# Altium PCB Sentry_Chasis.PcbDoc
Units mm, origin at the board's own origin, x right, y up, seen from the top; angles counter-clockwise.
Board outline 61.98 x 50.72 mm, 2 copper layers (Top Layer, Bottom Layer); 64 components, 47 nets, 260 pads, 170 vias.
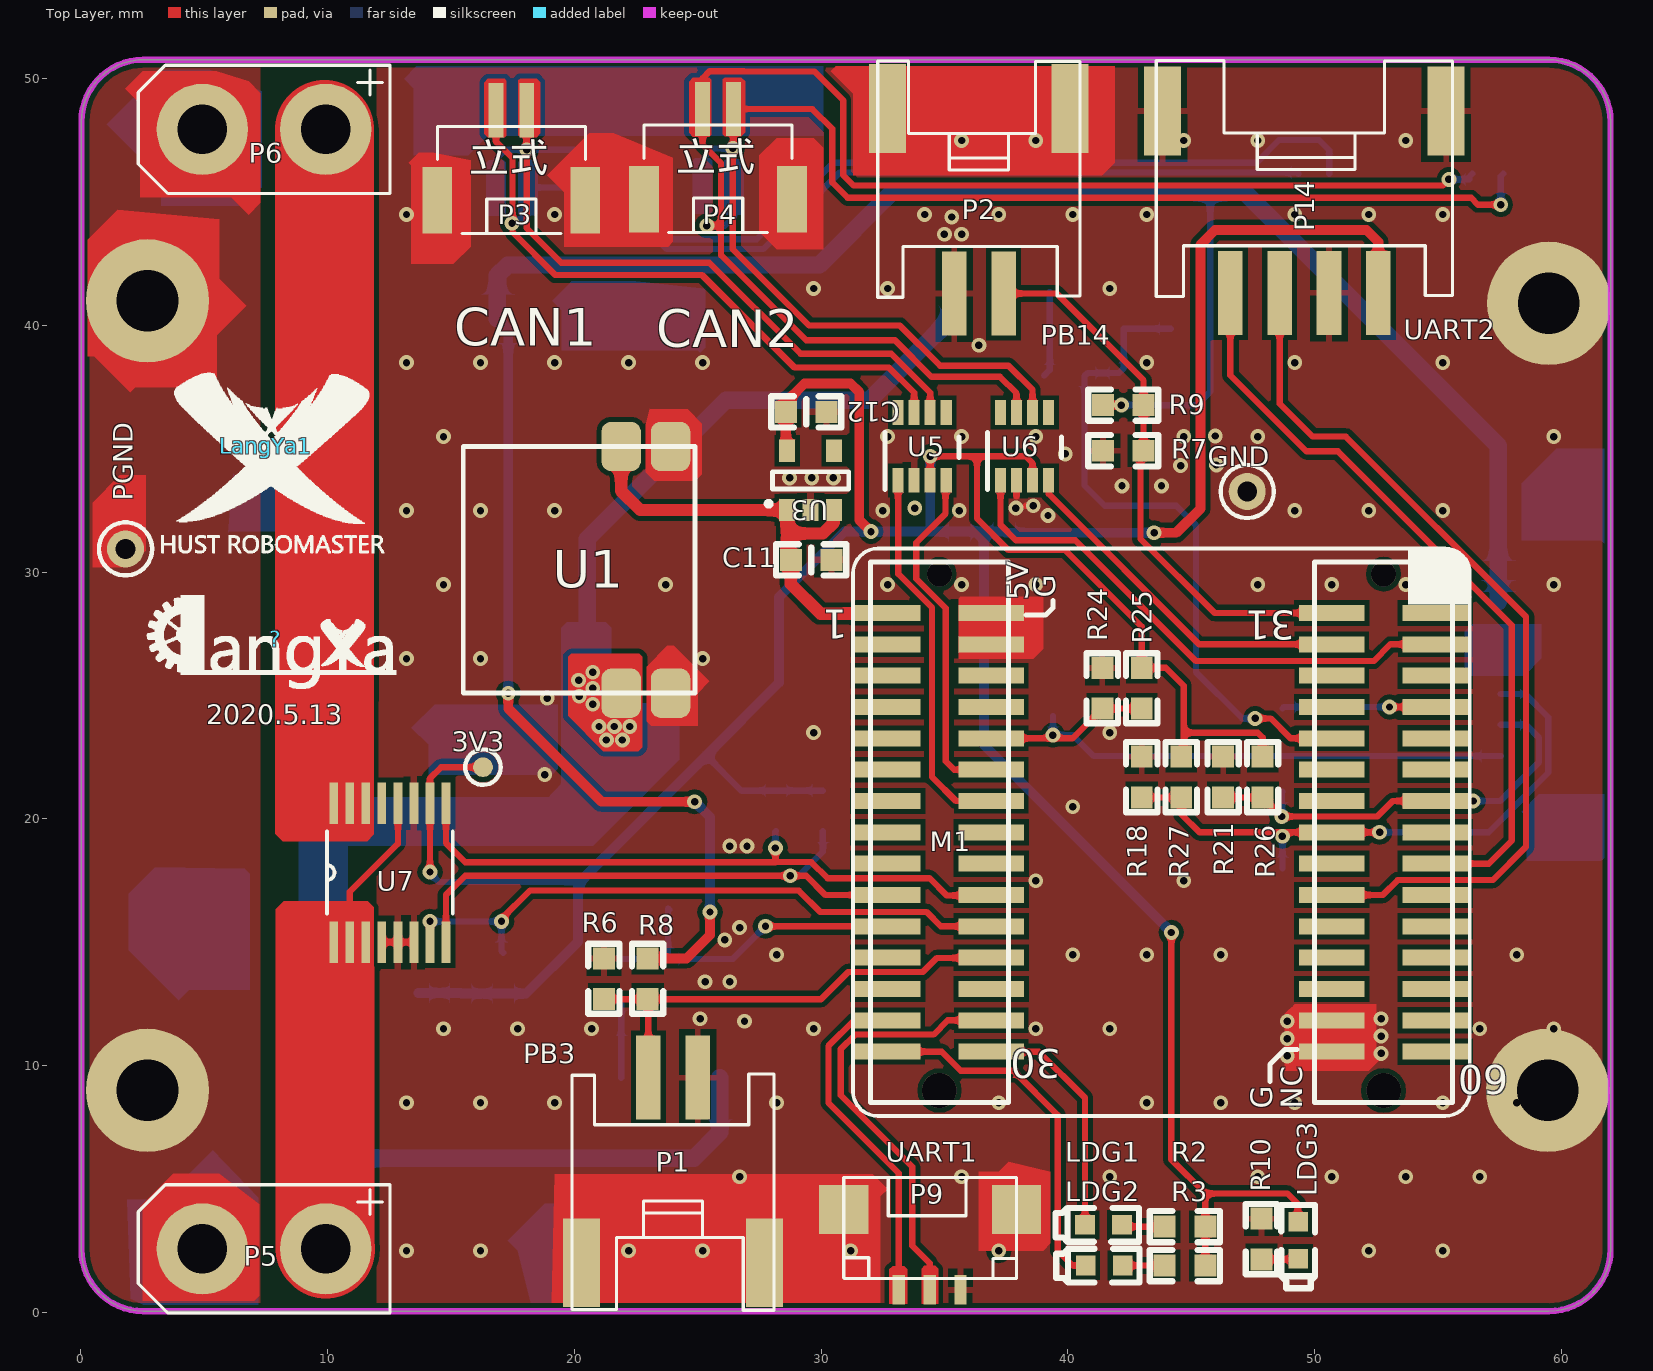
[diagram p0: Top Layer view]
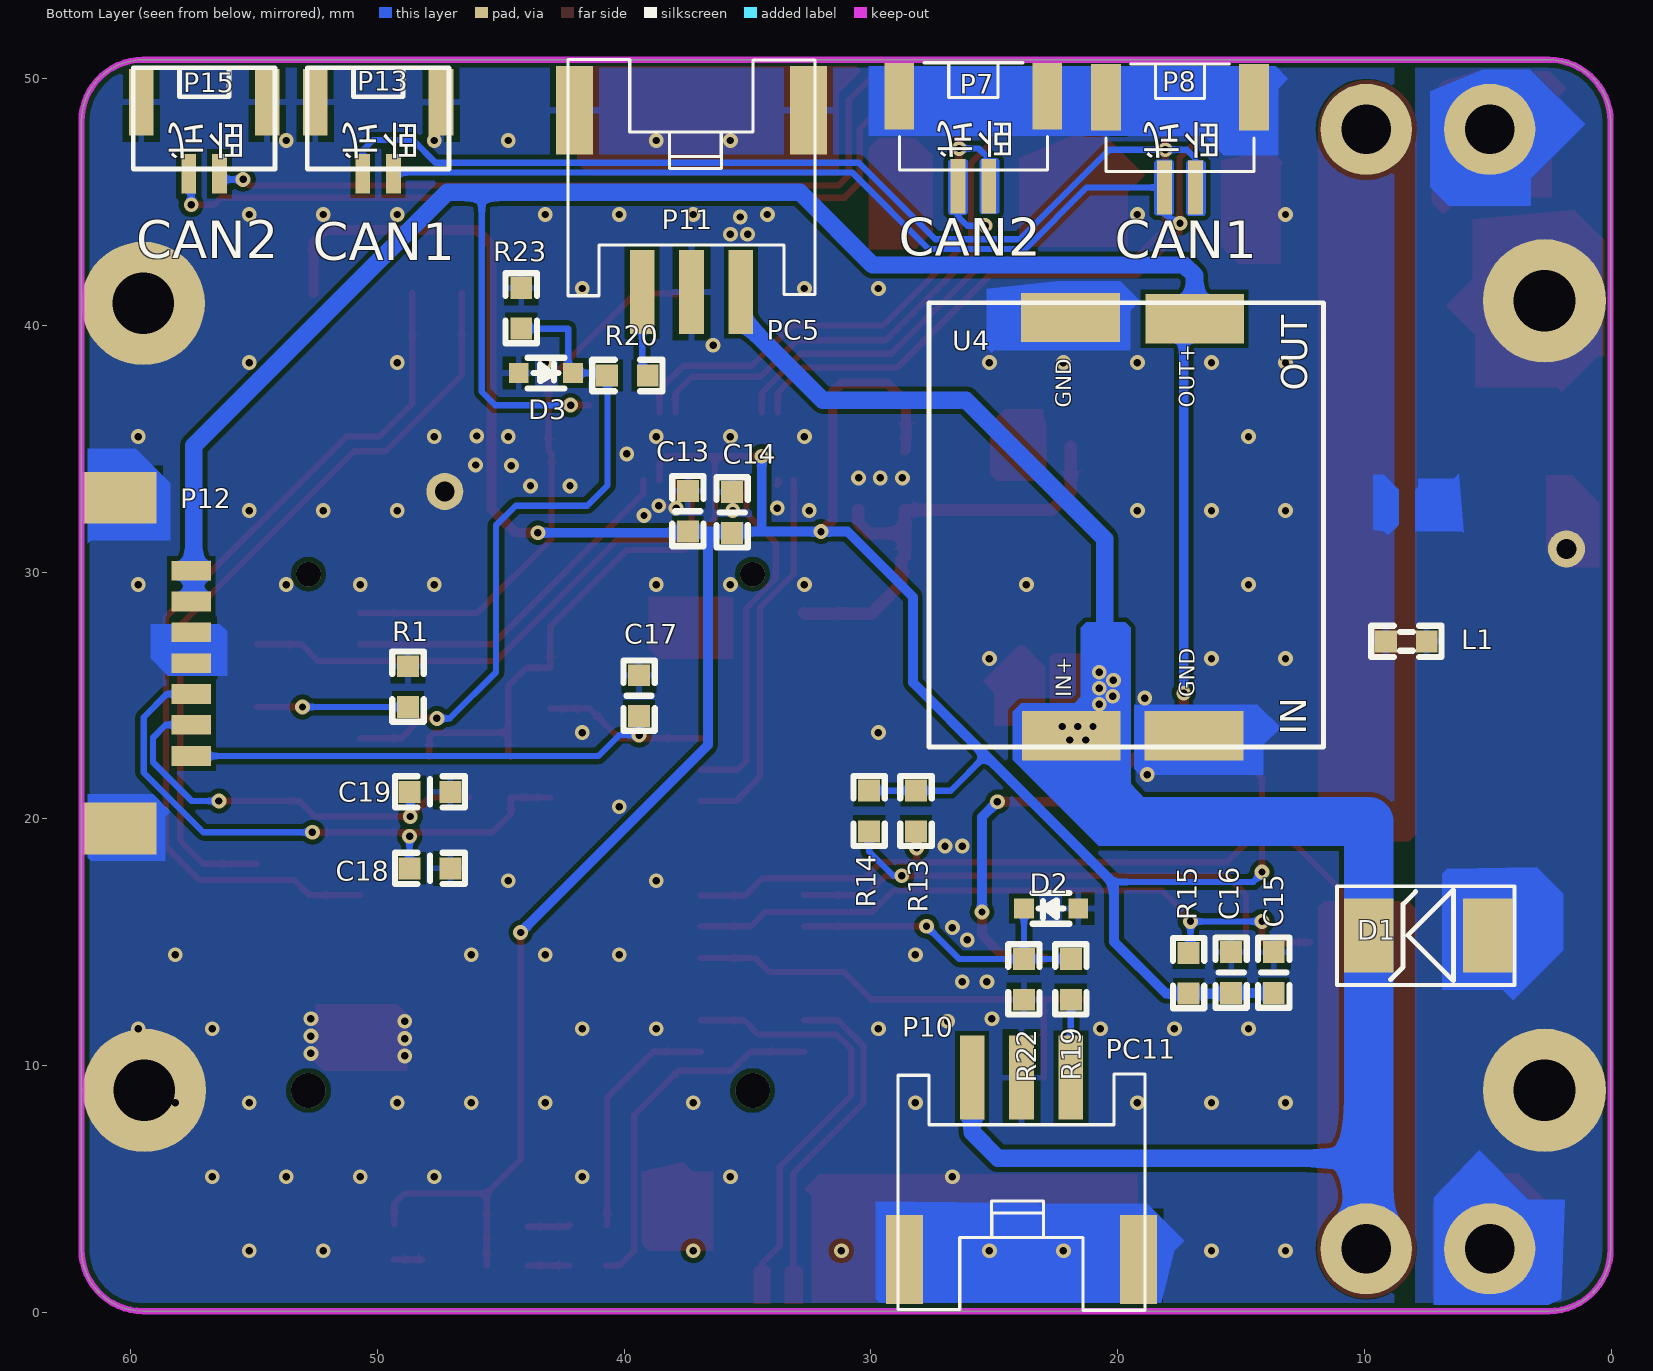
[diagram p1: Bottom Layer view, seen from below]
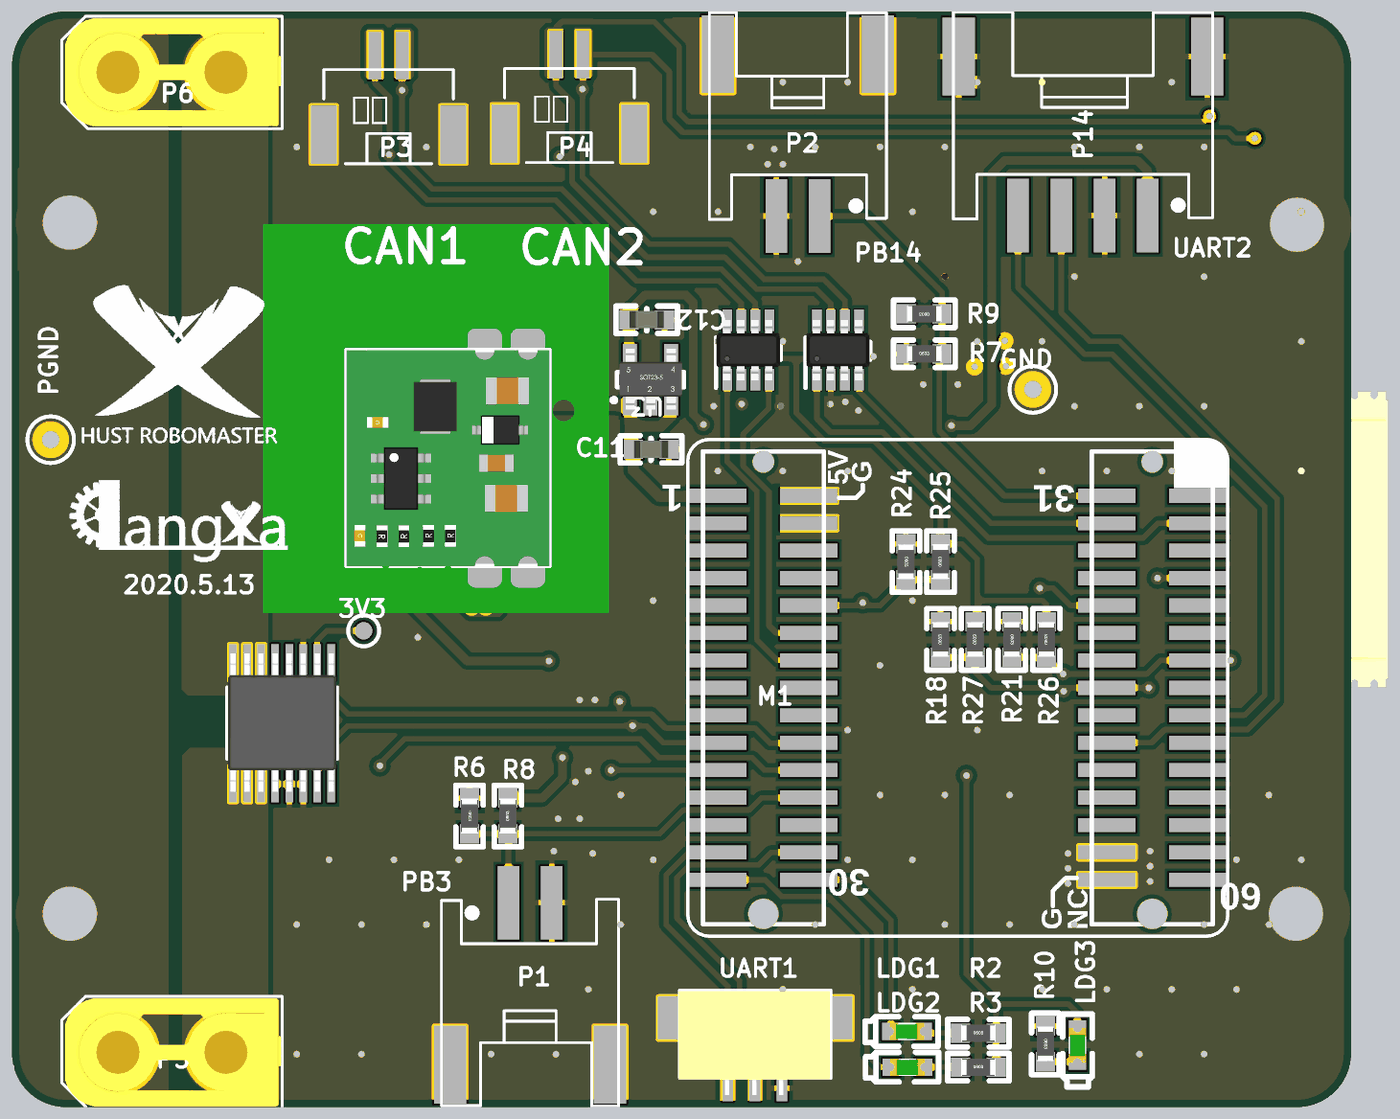
[diagram p2: 3D render of the assembled board from above, using the file's embedded part models]
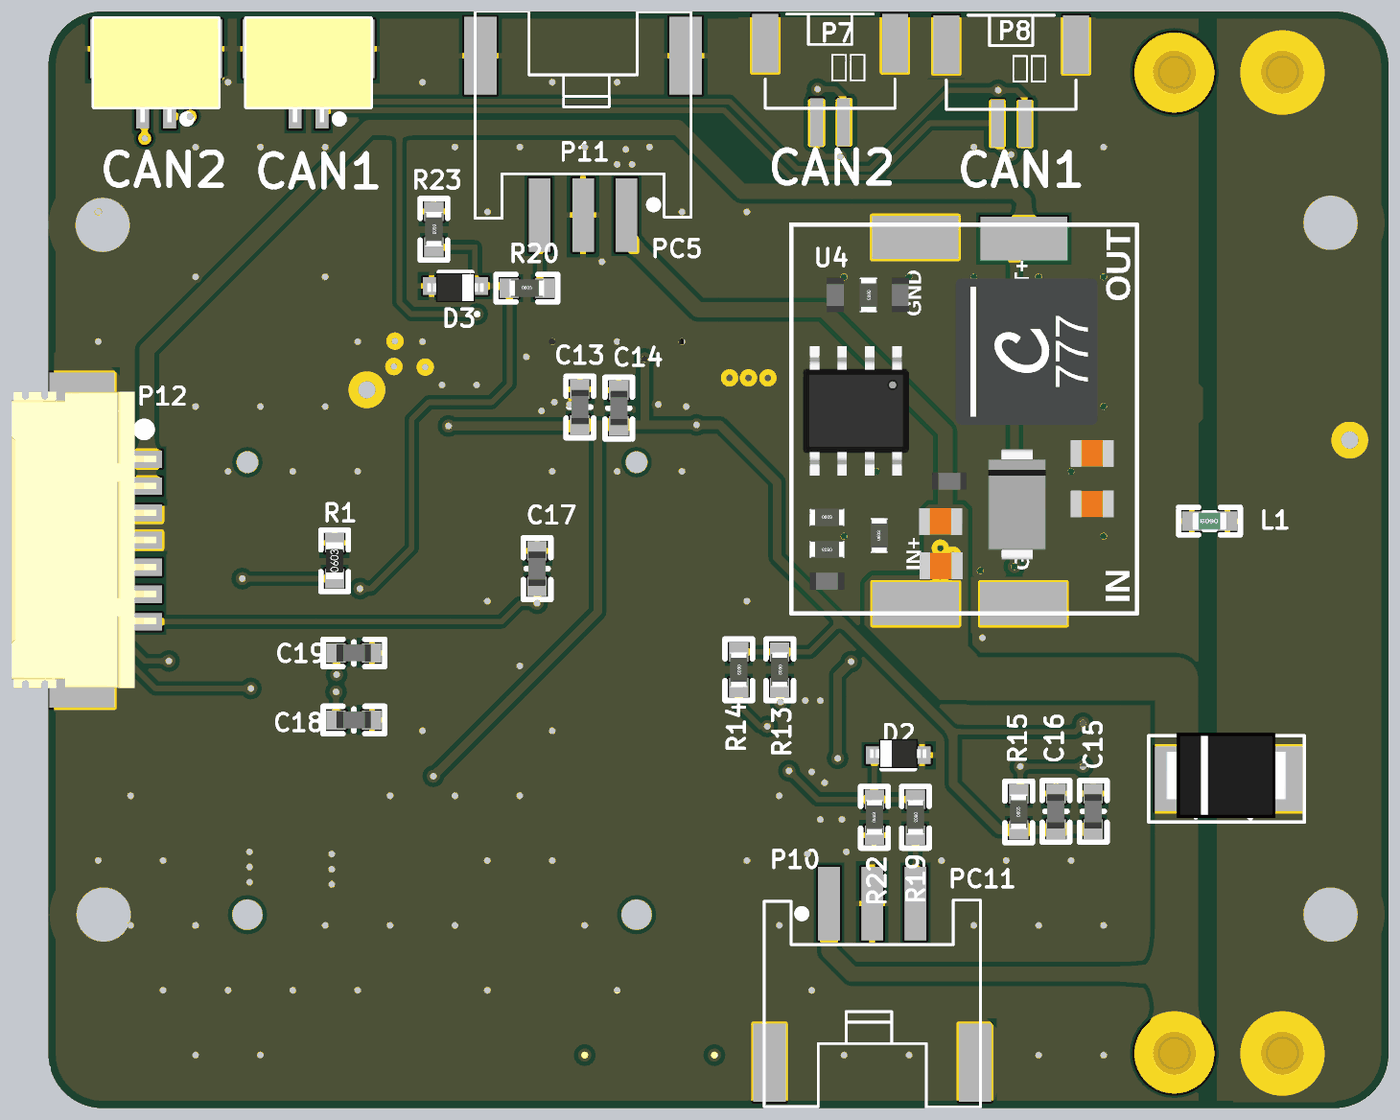
[diagram p3: 3D render of the assembled board from below, using the file's embedded part models]

## Layer stack, top to bottom
Top Solder: solder mask 0.0102, Solder Resist, Dk 3.5
Top Layer: signal copper 0.0356
Dielectric 1: dielectric 0.32, FR-4, Dk 4.8
Bottom Layer: signal copper 0.0356
Bottom Solder: solder mask 0.0102, Solder Resist, Dk 3.5

## Board outline
0.025,2.55 0.025,48.275 cw(c2.525,48.275) 2.525,50.775 59.5,50.775 cw(c59.5,48.275) 62,48.275 62,2.55 cw(c59.5,2.55) 59.5,0.05 2.525,0.05 cw(c2.525,2.55)

## Design rules (kind name [scope] priority, off if disabled: settings)
Clearance [All] p1: gap=0.2 ignorepadtopadclearanceinfootprint=FALSE
ComponentClearance [All] p1: gap=0.254 collisioncheckmode=3 verticalgap=0 showdistances=FALSE
MinimumSolderMaskSliver [All] p1: minsoldermaskwidth=0.001
PlaneClearance [All] p1: clearance=0.7
PlaneConnect [All] p1: pad.planeconnectstyle=Relief pad.reliefexpansion=0.508 pad.reliefentries=4 pad.reliefconductorwidth=0.254 pad.reliefairgap=0.254 via.planeconnectstyle=Direct via.reliefexpansion=0.508 via.reliefentries=4 via.reliefconductorwidth=0.254 via.reliefairgap=0.254
PolygonConnect [All] p1: thpad.connectstyle=Direct thpad.reliefconductorwidth=0.254 thpad.reliefentries=4 thpad.polygonreliefangle="90 Angle" thpad.airgapwidth=0.254 smdpad.connectstyle=Relief smdpad.reliefconductorwidth=0.254 smdpad.reliefentries=4 smdpad.polygonreliefangle="90 Angle" smdpad.airgapwidth=0.254 via.connectstyle=Direct via.reliefconductorwidth=0.254 via.reliefentries=4 via.polygonreliefangle="90 Angle" via.airgapwidth=0.254
RoomDefinition PowerDetection [InComponentClass('PowerDetection')] p1: confinementstyle=ConfineIn formatcopy=TRUE lockcomponents=FALSE outline -26.3,-7.5 590.325,-7.5 590.325,65 -26.3,65
RoutingVias [All] p1: holewidth=0.3 width=0.6 viastyle="Through Hole" minholewidth=0.2 minwidth=0.5 maxholewidth=9 maxwidth=10
SilkToSilkClearance [All] p1: silktosilkclearance=0.001
SilkToSolderMaskClearance [IsPad] p1: minsilkscreentomaskgap=0.001 clearancetoexposedcopper=TRUE
SolderMaskExpansion [All] p1: expansion=0.102 istentingtop=FALSE
Width [All] p1: maxlimit=10 minlimit=0.127 preferedwidth=0.254
24 further rules are at their usual default settings.

## Components (designator, comment, footprint, x,y, rotation, side; value= is the part's Value field where it differs from the comment)
3V3 "3V3" TP_SMT 16.3,22.1 r90 top
? "Logo" "logo_langya - duplicate" 7.9,27.3 r0 top
C11 "1uF" 0603C 29.6,30.5 r180 top value=100nF
C12 "4.7uF" 0603C 29.4,36.5 r180 top value=100nF
C13 "1uF/0603/50V" 0603C 37.425,32.476 r90 bottom value=100pF
C14 "1uF/0603/50V" 0603C 35.625,32.426 r90 bottom value=100pF
C15 "100nF" 0603C 13.675,13.775 r270 bottom value=10uF
C16 "" 0603C 15.4,13.775 r270 bottom value=100nF
C17 "10nF" 0603C 39.4,25 r270 bottom value=100pF
C18 "10nF" 0603C 47.875,18 r0 bottom value=100pF
C19 "10nF" 0603C 47.875,21.1 r0 bottom value=100pF
D1 "SMBJ24A" SMB/DO-214AA 7.413,15.275 r0 bottom
D2 "TVS_SOD" SOD-323- 22.7,16.375 r180 bottom
D3 "TVS_SOD" SOD-323- 43.175,38.075 r0 bottom
GND "PGND" TP_VIA 47.275,33.275 r0 top
L1 "10mH/0402" 0603L 8.3,27.2 r0 bottom value=10mH
LangYa1 "RM_logo" "RM_logo 300mil*350" 7.5,35.1 r0 top
LDG1 "LED_RED" 0603LED_G 42.2,3.55 r180 top
LDG2 "LED_RED" 0603LED_G 42.225,1.9 r180 top
LDG3 "LED_RED" 0603LED_G 49.338,3.674 r270 top
M1 "STM32_LQFP64核心板" STM32_LQFP64核心板 43.8,19.46 r90 top
P1 "Header 2" "HY2.00MM 2X1 SMT" 24,8.65 r0 top
P2 "Header 2" "HY2.00MM 2X1 SMT" 36.4,42.165 r180 top
P3 "A1.25W-2F" GH1.25_立式 17.45,43.725 r0 top
P4 "A1.25W-2F" GH1.25_立式 25.825,43.775 r0 top
P5 "XT30/60/90" XT30立式 7.425,2.575 r0 top
P6 "XT30/60/90" XT30立式 7.425,47.95 r0 top
P7 "A1.25W-2F" GH1.25_立式 25.85,50.65 r0 bottom
P8 "A1.25W-2F" GH1.25_立式 17.475,50.6 r0 bottom
P9 "裁判系统/GH1.25-3p立式" A1254-03AWB 34.425,0.949 r0 top
P10 "Header 3" "HY2.00MM 3X1 SMT" 23.9,8.65 r180 bottom
P11 "Header 3" "HY2.00MM 3X1 SMT" 37.275,42.225 r0 bottom
P12 "Header 7" A1.25WF-7P 57.55,26.315 r270 bottom
P13 "A1.25W-2F" GH1.25-2p-卧贴 49.975,46.15 r0 bottom
P14 "USART/UART" "HY2.00MM 4X1 SMT" 49.59,42.191 r180 top
P15 "A1.25W-2F" GH1.25-2p-卧贴 57.025,46.15 r0 bottom
PGND "PGND" TP_VIA 1.812,30.947 r90 top
R1 "10k" 0603R 48.765,25.365 r90 bottom value=1K
R2 "560" 0603R 44.75,3.475 r0 top value=1K
R3 "560" 0603R 44.75,1.9 r0 top value=1K
R6 "1K/5%" 0603R 21.2,13.525 r270 top value=1K
R7 "1K/5%" 0603R 42.25,34.925 r0 top value=1K
R8 "1K/5%" 0603R 22.975,13.525 r90 top value=1K
R9 "1K/5%" 0603R 42.25,36.775 r180 top value=1K
R10 "560" 0603R 47.85,2.975 r270 top value=1K
R13 "10k" 0603R 28.175,20.325 r270 bottom value=1K
R14 "10k" 0603R 30.075,20.324 r270 bottom value=1K
R15 "10k" 0603R 17.125,13.75 r90 bottom value=1K
R18 "18k" 0603R 43,21.7 r90 top value=1K
R19 "62k" 0603R 21.9,13.5 r270 bottom value=1K
R20 "62k" 0603R 39.874,37.975 r180 bottom value=1K
R21 "18k" 0603R 46.3,21.7 r270 top value=1K
R22 "10k" 0603R 23.8,13.5 r90 bottom value=1K
R23 "10k" 0603R 44.175,40.7 r270 bottom value=1K
R24 "18k" 0603R 41.4,25.3 r270 top value=1K
R25 "1K/5%" 0603R 43,25.3 r90 top value=1K
R26 "1K/5%" 0603R 47.9,21.7 r90 top value=1K
R27 "1K/5%" 0603R 44.6,21.7 r90 top value=1K
U1 "MP2451" MP2451_PowerModule_V2 24.9,35.1 r180 top
U3 "SPX5205M5-3.3V" "SOT-23-5 L" 28.635,32.551 r90 top
U4 "MP2482_Module" MP2482_PowerModule 19.65,31.925 r90 bottom
U5 "TCAN330" SOT-23-8 34.1,35.1 r90 top
U6 "TCAN330" SOT-23-8 38.25,35.1 r90 top
U7 "INA260" TSSOP-16 12.525,17.825 r90 top

## Footprints (in the part's own frame and the unit in brackets; to place one, negate y for a bottom-side part, rotate by r counter-clockwise, add the part's x,y. Pads: shape width x height; smd on the part's side, far side on the other; paste and mask are expansions set on the pad)
0603C [mil] "Chip Resistor, 2-Leads, Body 1.6x0.8mm, IPC Medium Density"
  rect 35x35 smd: 1(-32.5,0) 2(32.5,0)
  silkscreen extent -56,-25 56,25, body extent -31,-16 31,15, height 18
0603L [mil] "Chip Resistor, 2-Leads, Body 1.6x0.8mm, IPC Medium Density"
  rect 35x35 smd: 1(-32.5,0) 2(32.5,0)
  silkscreen extent -56,-25 56,25, body extent -31,-16 32,16, height 31
0603LED_G [mm]
  rect 0.8x0.8 smd: 1(0,0) 2(1.5,0)
  silkscreen extent -0.69,-0.69 2.69,0.69, body extent -0.04,-0.4 1.56,0.4, height 0.6
0603R [mil] "10mil丝印"
  rect 35x35 smd: 1(-32.5,0) 2(32.5,0)
  silkscreen extent -56,-25 56,25, body extent -33,-16 33,16, height 22
A1.25WF-7P [mm]
  rect 2.1x3 smd: 0(-6.703,-2.9) 0(6.703,-2.9)
  round 1 on Bottom Overlay: 0(-5.128,-0.03)
  rect 0.8x1.6 smd: 1(-3.75,0) 2(-2.5,0) 3(-1.25,0) 4(0,0) 5(1.25,0) 6(2.5,0) 7(3.765,0)
  body extent -6.87,-6.17 6.83,0.53, height 2.5
A1254-03AWB [mm] "1.25mm，额定电流1A，额定电压50V，接触电阻20mOhm"
  rect 2x2 smd: 0(-3.5,3.226) 0(3.5,3.226)
  rect 0.5x1.2 smd: 1(-1.27,-0.025) 2(-0.02,-0.025) 3(1.23,-0.025)
  silkscreen extent -3.51,0.43 3.51,4.52, body extent -3.55,-0.34 3.45,4.46, height 4.5
GH1.25-2p-卧贴 [mm]
  rect 1x2.7 smd: 0(-2.55,-2.9) 0(2.55,-2.9)
  round 0.7 on Bottom Overlay: 0(-1.425,0.35)
  rect 0.6x1.6 smd: 1(-0.625,0) 2(0.625,0)
  silkscreen extent -2.88,-4.3 2.88,-0.2, body extent -2.87,-4.3 2.88,0.5, height 4.4
GH1.25_立式 [mm]
  rect 1.2x2.7 smd: 0(-3,1.35) 0(3,1.35)
  rect 0.6x2.2 smd: 1(0.625,5) 2(-0.625,5)
  silkscreen extent -3,0 3,4.35, body extent -2.87,-0.06 2.88,5.04, height 4.13
"HY2.00MM 2X1 SMT" [mm]
  rect 1.5x3.6 smd: 0(-3.7,-6.635) 0(3.7,-6.635)
  round 0.7 on Top Overlay: 0(-2.685,0.391)
  rect 1x3.4 smd: 1(-1,0.865) 2(1,0.865)
  silkscreen extent -4.1,-8.56 4.1,1.02, body extent -3.97,-8.55 4.03,2.14, height 5.1
"HY2.00MM 3X1 SMT" [mm]
  rect 1.5x3.6 smd: 0(-4.75,-6.5) 0(4.75,-6.5)
  round 0.7 on Bottom Overlay: 0(-3.26,0.391)
  rect 1x3.4 smd: 1(-2,0.865) 2(0,0.865) 3(2,0.865)
  silkscreen extent -5,-8.56 5,1.02, body extent -5.02,-8.53 4.98,2.17, height 5.1
"HY2.00MM 4X1 SMT" [mm]
  rect 1.5x3.6 smd: 0(-5.75,-6.5) 0(5.75,-6.5)
  round 0.7 on Top Overlay: 0(-4.41,0.391)
  rect 1x3.4 smd: 1(-3,0.865) 2(-1,0.865) 3(1,0.865) 4(3,0.865)
  silkscreen extent -6,-8.56 6,1.02, body extent -6,-8.5 6,2.19, height 5.1
"logo_langya - duplicate" [mm]
  silkscreen extent -5.22,-2 4.88,1.78
MP2451_PowerModule_V2 [mm]
  rrect50% 1.6x2 smd: 1(3,10) 2(3,0) 3(1,10) 4(1,0)
  silkscreen extent 0,0 9.4,10, body extent 0,0 9.4,10, height 2.6
MP2482_PowerModule [mm]
  rect 2x4 smd: 1(-8.55,2.236) 2(8.348,-2.768) 3(-8.55,-2.742) 3(8.399,2.262)
  silkscreen extent -9,-8 9,8, body extent -9,-8 9,8, height 3.15
"RM_logo 300mil*350" [mm] "300mil*350mil"
  silkscreen extent -4.24,-4.3 4.8,2.99
SMB/DO-214AA [mm]
  rect 2x3 smd: 1(-2.413,0) 2(2.413,0)
  silkscreen extent -3.5,-2 3.7,2, body extent -2.68,-2.13 2.91,1.81, height 2.44
SOD-323- [mm] "开关二极管2.60mmx1.20mm"
  rect 0.8x0.8 smd: 1(1.1,0) 2(-1.1,0)
  silkscreen extent -0.75,-0.63 0.75,0.62, body extent -1.3,-0.6 1.3,0.75, height 1.1
"SOT-23-5 L" [mm]
  rect 0.9x0.65 smd: 1(-0.026,0.01) 2(-0.026,-0.94) 3(-0.026,-1.89) 4(2.374,-1.89) 5(2.374,0.01)
  silkscreen extent 0.13,-2.49 1.52,0.86, body extent -0.2,-2.4 2.6,0.5, height 1.09
SOT-23-8 [mm]
  rect 1x0.45 smd paste+0 mask+0.051: 1(-1.375,0.975) 2(-1.375,0.325) 3(-1.375,-0.325) 4(-1.375,-0.975) 5(1.375,-0.975) 6(1.375,-0.325) 7(1.375,0.325) 8(1.375,0.975)
  silkscreen extent -1.75,-1.5 0.58,1.5, body extent -1.4,-1.47 1.4,1.47, height 1.2
STM32_LQFP64核心板 [mm]
  rect 0.65x2.65 smd: 1(8.89,11.1) 2(8.89,6.9) 3(7.62,11.1) 4(7.62,6.9) 5(6.35,11.1) 6(6.35,6.9) 7(5.08,11.1) 8(5.08,6.9) 9(3.81,11.1) 10(3.81,6.9) 11(2.54,11.1) 12(2.54,6.9) 13(1.27,11.1) 14(1.27,6.9) 15(0,11.1) 16(0,6.9) 17(-1.27,11.1) 18(-1.27,6.9) 19(-2.54,11.1) 20(-2.54,6.9) 21(-3.81,11.1) 22(-3.81,6.9) 23(-5.08,11.1) 24(-5.08,6.9) 25(-6.35,11.1) 26(-6.35,6.9) 27(-7.62,11.1) 28(-7.62,6.9) 29(-8.89,11.1) 30(-8.89,6.9) 31(8.89,-6.9) 32(8.89,-11.1) 33(7.62,-6.9) 34(7.62,-11.1) 35(6.35,-6.9) 36(6.35,-11.1) 37(5.08,-6.9) 38(5.08,-11.1) 39(3.81,-6.9) 40(3.81,-11.1) 41(2.54,-6.9) 42(2.54,-11.1) 43(1.27,-6.9) 44(1.27,-11.1) 45(0,-6.9) 46(0,-11.1) 47(-1.27,-6.9) 48(-1.27,-11.1) 49(-2.54,-6.9) 50(-2.54,-11.1) 51(-3.81,-6.9) 52(-3.81,-11.1) 53(-5.08,-6.9) 54(-5.08,-11.1) 55(-6.35,-6.9) 56(-6.35,-11.1) 57(-7.62,-6.9) 58(-7.62,-11.1) 59(-8.89,-6.9) 60(-8.89,-11.1)
  silkscreen extent -11.5,-12.5 11.5,12.5, body extent -11.5,-12.5 11.5,12.5, height 10.9
TP_SMT [mm]
  round 0.8 smd: 1(0,0)
  silkscreen extent -0.72,-0.72 0.72,0.72
TP_VIA [mm]
  round 1.5 hole 0.8: 1(0,0)
  silkscreen extent -1.08,-1.07 1.08,1.07
TSSOP-16 [mil]
  rect 66x14 smd: 1(-111,89.57) 2(-111,63.98) 3(-111,38.39) 4(-111,12.79) 5(-111,-12.8) 6(-111,-38.39) 7(-111,-63.98) 8(-111,-89.57) 9(111,-89.57) 10(111,-63.98) 11(111,-38.39) 12(111,-12.8) 13(111,12.79) 14(111,38.39) 15(111,63.98) 16(111,89.57)
  silkscreen extent -66,-100 66,101, body extent -125,-98 127,98, height 44
XT30立式 [mm]
  round 3.7 hole 2: 1(2.5,0) 2(-2.5,0)
  silkscreen extent -5.1,-2.6 5.1,2.6, body extent -4.95,-2.49 5.05,2.51, height 10

## Part data
3V3 GND PGND: library part TP
C11 C12: library part Cap
C13 C14 C15 C16 C17 C18 C19: library part Cap, "Capacitor", LatestRevisionDate=17-Jul-2002, LatestRevisionNote="Re-released for DXP Platform.", PackageDescription="Radial Cap, Thru-Hole; 2 Leads; 0.3 in Pin Spacing", PackageReference=RAD-0.3, Published=8-Jun-2000, Publisher="Altium Limited"
D1: library part "D Zener", "Zener Diode", LatestRevisionDate=17-Jul-2002, LatestRevisionNote="Re-released for DXP Platform.", PackageDescription="Diode, Thru-Hole; 2 Leads; 0.7 in Pin Spacing", PackageReference=DIODE-0.7, Published=8-Jun-2000, Publisher="Altium Limited"
L1: library part Inductor, "Inductor", Code_IEC=1005, Code_JEITA=0402, LatestRevisionDate=29-May-2009, LatestRevisionNote="IPC-7351 Footprint Added.", PackageDescription="Chip Inductor", PackageReference=0402-A, Published=8-Jun-2000, Publisher="Altium Limited"
LDG1 LDG2 LDG3: library part LED, "Typical RED, GREEN, YELLOW, AMBER GaAs LED", LatestRevisionDate=17-Jul-2002, LatestRevisionNote="Re-released for DXP Platform.", PackageDescription="SM LED; 2 Flat Leads", PackageReference=3.2X1.6X1.1, PackageVersion=Feb-2002, Published=8-Jun-2000, Publisher="Altium Limited"
M1: "STM32_LQFP64核心板 / 兼容F105Rx、F405RGT6、F446Rx / 尺寸23mm x 25mm"
P1 P2: "Header, 2-Pin", LatestRevisionDate=17-Jul-2002, LatestRevisionNote="Re-released for DXP Platform.", Publisher="Altium Limited"
P3 P4 P7 P8 P13 P15: library part GH1.25-2P
P9: library part UART_3pin
P10 P11: "Header, 3-Pin", LatestRevisionDate=17-Jul-2002, LatestRevisionNote="Re-released for DXP Platform.", Publisher="Altium Limited"
P12: "Header, 7-Pin", LatestRevisionDate=17-Jul-2002, LatestRevisionNote="Re-released for DXP Platform.", Publisher="Altium Limited"
P14: library part UART_4pin, "带电源串口"
R1 R2 R3 R6 R7 R8 R9 R10 R13 R14 R15 R18 R19 R20 R21 R22 R23 R24 R25 R26 R27: library part Res1, "Resistor", LatestRevisionDate=17-Jul-2002, LatestRevisionNote="Re-released for DXP Platform.", PackageDescription="Axial Device, Thru-Hole; 2 Leads; 0.3 in Pin Spacing", PackageReference=AXIAL-0.3, Published=8-Jun-2000, Publisher="Altium Limited"
U1: library part MP2451_PowerModule
U5 U6: library part SN65HVD232D, "3.3 V CAN Transceiver, 17 mA, -40 to 85 degC, 8-pin SOIC (D), Green (RoHS & no Sb/Br)", Drivers Per Package=1, Manufacturer="Texas Instruments", Rating=Catalog, Supplier Part Number 1=296-12282-5-ND, Supply Voltage(s)(V)=3.3, Code_JEDEC=MS-012AA, ComponentLink1Description=Datasheet, ComponentLink1URL=http://www.ti.com/general/docs/lit/getliterature.tsp?genericPartNumber=SN65HVD232&fileType=pdf, DatasheetVersion=SLOS346K, Eco-Plan="Green (RoHS & no Sb/Br)", ICC(Max)(mA)=17, Isolated=No, Mounting Technology="Surface Mount", PackageDescription="8-Pin Plastic Small Outline Integrated Circuit, 4.9 x 3.9 mm, Pitch 1.27 mm Pitch", PackageReference=D8, PackageVersion="revM, Jun-2011", PartNumber=SN65HVD232D, Receivers Per Package=1, SubFamily=CAN, Supplier 1=Digi-Key, Supplier 2=Farnell, Supplier 3=Newark, Supplier 4=Mouser, Supplier Part Number 2=1103107, Supplier Part Number 3=35K4890, Supplier Part Number 4=595-SN65HVD232D, Transient Pulse Protection(V)="-25 to 25"
U7: "Precision Digital Current and Power Monitor With Low-Drift, Precision Integrated Shunt"

## Free pads (board coordinates)
  round 5 hole 2.5 mask+0.102: 17(2.7,9) 17(2.7,41) 17(59.45,9) 17(59.5,40.9)

## Via types
v1: diameter 0.6, hole 0.3, Top Layer to Bottom Layer, tented both sides, 148 vias
v2: diameter 0.6, hole 0.3, Top Layer to Bottom Layer, 18 vias
v3: diameter 1.4, hole 1.4, Top Layer to Bottom Layer, tented both sides, 2 vias
v4: diameter 1, hole 1, Top Layer to Bottom Layer, tented both sides, 2 vias

## Nets (pads, with @x,y where several pads share a name; then routed paths per layer and width w, separated by ;. In a path a pad name is that pad's centre, name@x,y a point inside that pad or via, vN(x,y) a via of type N, cw(c..) or ccw(c..) an arc to the next point about the centre after c; other vN are vias at no path point)
3V3: 3V3.1 C12.2 C13.1 C14.1 C15.2 C16.2 LDG3.1 P14.1 R2.2 R3.2 R13.1 R14.1 R15.1 R25.2 R26.2 R27.2 U3.5 U5.3 U6.3 U7.10 | length 161.6
  Top Layer w0.254: v1(14.15,17.85) U7.10 14.15,21.65 14.6,22.1 3V3.1 ; U5.3@34.45,33.75 U5.3 v1(34.425,34.7) 36.325,34.7 ; U6.3@38.6,33.75 U6.3 38.575,34.425 38.3,34.7 36.325,34.7 ; v1(44.2,15.4) 44.2,6.2 45.576,4.824 ; R27.2 44.7,22.626 44.7,23.5 ; R3.2 R2.2 45.576,4.824 ; R26.2 47.9,23.3 47.7,23.5 44.7,23.5 ; LDG3.1@49.325,3.6 49.325,4.4 48.901,4.824 45.576,4.824 ; 36.325,34.7 36.325,32.175 37.6,30.9 39.9,30.9 43,27.8 R25.2 43.975,26.125 44.7,25.4 44.7,23.5
  Top Layer w0.4: U3.5 28.574,34.976 C12.2 28.574,36.899 29.325,37.65 31.2,37.65 31.55,37.3 31.55,32.125 v1(32.025,31.65) ; v1(43.5,31.6) 44.4,31.6 45.375,32.575 45.375,43.275 45.973,43.873 49.46,43.873 49.462,43.875 51.938,43.875 51.94,43.873 52.102,43.873 52.59,43.385 P14.1
  Bottom Layer w0.254: v1(14.15,17.85) 14.15,17.8 14.5,17.45 20.15,17.45 ; 25.35,22.575 26.775,21.15 R14.1
  Bottom Layer w0.4: C15.2 C16.2 15.425,12.925 R15.1 18.05,12.925 20.15,15.025 20.15,17.375 ; 20.15,17.45 20.15,17.375 ; v1(34.425,34.7) 34.427,34.698 34.427,32.24 34.425,32.238 34.425,31.65 v1(32.025,31.65) 30.95,31.65 28.3,29 28.3,25.525 25.35,22.575 20.15,17.375 ; 34.45,31.65 36.6,31.65 ; v1(43.5,31.6) 37.475,31.6 C13.1 36.6,31.65 ; v1(44.2,15.4) 36.6,23 36.6,31.65
5V: C11.2 M1.1 U1.2 U3.1 U3.3 | length 18.9
  Top Layer w0.5: U1.2 21.9,33.3 22.675,32.525 U3.1 28.625,31.569 ; 30.525,32.025 30.069,31.569 28.625,31.569 ; M1.1 32.673,28.323 29.977,28.323 28.775,29.525 C11.2 28.625,30.65 28.625,31.569
  Top Layer w0.508: 30.525,32.025 U3.3
5VO: P12.1 P12.2 R8.2 R9.2 U4.2 | length 100.6
  Top Layer w0.254: R9.2 v1(42.175,36.775)
  Top Layer w0.4: v1(17.325,25.1) 17.325,24.475 21.1,20.7 v1(24.875,20.7) ; R8.2 24.551,14.351 25.5,15.3 v1(25.5,16.229)
  Bottom Layer w0.254: v1(42.175,36.775) 45.225,36.775 45.775,37.325 45.775,45.4
  Bottom Layer w0.4: U4.2 17.325,39.831 v1(17.325,25.1) ; v1(24.875,20.7) 25.5,20.075 v1(25.5,16.229)
  Bottom Layer w0.7: U4.2 16.882,42.032 17.3,42.45 29.925,42.45 32.875,45.4 45.775,45.4 47.175,45.4 57.45,35.125 P12.2@57.45,28.8
ALERT1: M1.22 R15.2 U7.7 | length 26.1
  Top Layer w0.254: U7.7 v1(14.15,15.85) ; v1(17.05,15.85) 17.05,15.95 18.2,17.1 29.1,17.1 29.971,16.229 34.279,16.229 34.858,15.65 M1.22
  Bottom Layer w0.254: v1(14.15,15.85) v1(17.05,15.85) 17.05,14.65 R15.2
CAN1H: P3.2 P8.1 P13.1 U5.7 | length 60.4
  Top Layer w0.254: P3.2 16.825,47.45 17.5,46.775 v1@17.5,44.15 ; v1@17.4,44.075 v1(17.475,44.15) ; v1@17.5,44.075 17.5,43.775 19.225,42.05 25.175,42.05 28.925,38.3 32.75,38.3 33.775,37.275 U5.7
  Bottom Layer w0.254: v1(17.475,44.15) 17.675,44.15 18.1,44.575 P8.1 21.25,45.6 23.75,43.1 27.65,43.1 30.75,46.2 49.3,46.2 P13.1
CAN1L: P3.1 P8.2 P13.2 U5.6 | length 64.1
  Top Layer w0.254: P3.1 18.075,43.95 19.475,42.55 25.475,42.55 29.171,38.854 32.846,38.854 34.425,37.275 U5.6
  Bottom Layer w0.254: P8.2 16.85,46.775 17.202,47.127 v1(18.076,47.127) 20.348,47.127 23.975,43.5 25.142,43.5 25.146,43.496 25.604,43.496 25.608,43.5 27.4,43.5 30.5,46.6 47.65,46.6 48.575,47.525 50.175,47.525 50.6,47.1 P13.2
CAN1RX: M1.12 U5.4 | length 14.4
  Top Layer w0.254: U5.4 35.046,33.696 35.046,32.38 33.859,31.193 33.859,29.741 35.059,28.541 35.059,22.341 35.4,22 M1.12
CAN1TX: M1.14 U5.1 | length 15.4
  Top Layer w0.254: U5.1 33.125,29.934 34.5,28.559 34.5,21.7 35.47,20.73 M1.14
CAN2H: P4.2 P7.1 P15.1 U6.7 | length 61.4
  Top Layer w0.254: v1(25.375,44.05) 25.95,44.05 ; U6.7 37.925,37.25 37.25,37.925 34.475,37.925 33,39.4 29.4,39.4 25.95,42.85 25.95,44.05 ; v2(55.45,45.925) 55.2,45.675 31.325,45.675 30.9,46.1 30.9,49.125 29.725,50.3 26.884,50.3 26.88,50.304 25.479,50.304 25.2,50.025 P4.2 25.2,47.325 25.95,46.575 25.95,44.05
  Bottom Layer w0.254: v1(25.375,44.05) 26.1,44.05 26.475,44.425 P7.1 26.475,46.1 P7.1@26.5,46.125 ; v2(55.45,45.925) 56.275,45.925 56.225,45.975 P15.1
CAN2L: P4.1 P7.2 P15.2 U6.6 | length 58.7
  Top Layer w0.254: v1(26.426,47.177) 26.426,43.099 29.525,40 33.2,40 34.825,38.375 37.6,38.375 38.575,37.4 U6.6 ; v1@26.45,47.375 P4.1 29.65,48.775 30.45,47.975 30.45,45.8 31.075,45.175 56.35,45.175 56.625,44.9 v2(57.55,44.9)
  Bottom Layer w0.254: P7.2 25.225,46.775 25.627,47.177 v1(26.426,47.177) ; v2(57.55,44.9) 57.55,46.05 P15.2
CAN2RX: M1.33 U6.4 | length 14.5
  Top Layer w0.254: U6.4 39.225,33.175 45.32,27.08 M1.33
CAN2TX: M1.34 U6.1 | length 22
  Top Layer w0.254: U6.1 37.275,31.925 37.9,31.3 40.3,31.3 45.2,26.4 52.4,26.4 53.08,27.08 M1.34
GND: C11.1 C12.1 C13.2 C14.2 C15.1 C16.1 C17.1 C18.1 C19.1 D2.1 D3.1 GND.1 L1.2 M1.2 M1.4 M1.57 M1.59 P1.0@20.3,2.015 P1.0@27.7,2.015 P1.2 P2.0@32.7,48.8 P2.0@40.1,48.8 P2.2 P3.0 P4.0 P7.0 P8.0 P9.0 P9.3 P10.0@19.15,2.15 P10.0@28.65,2.15 P10.2 P11.0@32.525,48.725 P11.0@42.025,48.725 P11.2 P12.0@60.45,19.612 P12.0@60.45,33.018 P12.3 P12.4 P13.0@47.425,49.05 P13.0@52.525,49.05 P14.0@43.84,48.691 P14.0@55.34,48.691 P14.2 P15.0@54.475,49.05 P15.0@59.575,49.05 pad.17@59.5,40.9 pad.17@59.45,9 R1.2 R6.1 R7.1 R10.1 R18.2 R21.1 R22.1 R23.1 R24.1 U1.3 U1.4 U3.2 U4.3 U5.2 U6.2 U7.4 U7.5 U7.6 U7.11 | length 2.5
  Top Layer w0.254: U7.4 U7.5 U7.6 ; U5.2 33.7,33.65 U5.2@33.8,33.55 ; 37.925,33.075 U6.2 ; v1@38.3,32.7 v1(38.6,32.7)
  other v1: 13.2,2.5 16.2,2.5 22.2,2.5 52.2,2.5 55.2,2.5 26.7,5.5 35.7,5.5 41.7,5.5 47.7,5.5 50.7,5.5 53.7,5.5 56.7,5.5 13.2,8.5 16.2,8.5 19.2,8.5 28.2,8.5 37.2,8.5 43.2,8.5 46.2,8.5 49.2,8.5 55.2,8.5 58.2,8.5 48.9,10.4 52.7,10.5 48.9,11.1 52.7,11.2 14.7,11.5 17.7,11.5 20.7,11.5 29.7,11.5 38.7,11.5 41.7,11.5 56.7,11.5 59.7,11.5 26.9,11.8 48.9,11.8 25.1,11.9 52.7,11.9 25.3,13.4 26.3,13.4 28.2,14.5 40.2,14.5 43.2,14.5 46.2,14.5 58.2,14.5 26.1,15.1 26.7,15.6 38.7,17.5 44.7,17.5 26.3,18.9 27,18.9 40.2,20.5 18.8,21.8 29.7,23.5 41.7,23.5 18.9,24.9 13.2,26.5 16.2,26.5 25.2,26.5 14.7,29.5 23.7,29.5 32.7,29.5 35.7,29.5 38.7,29.5 47.7,29.5 50.7,29.5 53.7,29.5 59.7,29.5 39.2,32.3 13.2,32.5 16.2,32.5 19.2,32.5 32.5,32.5 35.6,32.5 49.2,32.5 52.2,32.5 55.2,32.5 33.8,32.6 37.9,32.6 42.2,33.5 43.8,33.5 39.9,34.8 14.7,35.5 32.7,35.5 35.7,35.5 38.7,35.5 44.7,35.5 47.7,35.5 59.7,35.5 13.2,38.5 16.2,38.5 19.2,38.5 22.2,38.5 25.2,38.5 43.2,38.5 49.2,38.5 55.2,38.5 36.4,39.2 29.7,41.5 32.7,41.5 41.7,41.5 59.7,41.5 35,43.7 35.7,43.7 35.3,44.4 13.2,44.5 19.2,44.5 34.2,44.5 37.2,44.5 40.2,44.5 43.2,44.5 49.2,44.5 52.2,44.5 55.2,44.5 35.7,47.5 38.7,47.5 44.7,47.5 47.7,47.5 53.7,47.5
  other v2: 28.725,33.825 29.625,33.825 30.5,33.825 44.575,34.325 46.025,34.35 45.975,35.525
IN: D1.2 P5.1 P10.1 P11.1 U1.1 U4.1 U7.1 U7.2 U7.3 U7.12 | length 92.8
  Top Layer w0.254: U7.2 10.9,17.05 12.85,19 U7.12
  Top Layer w4: 9.895,13.83 9.895,2.605 P5.1
  Bottom Layer w0.7: 9.826,6.25 24.85,6.25 25.9,7.3 P10.1 ; v2@20.525,25.975 20.525,31.35 26.15,36.975 31.95,36.975 35.375,40.4 P11.1@35.375,41.36
  Bottom Layer w2: P5.1 9.826,2.674 9.826,6.25 D1.2 9.826,19.9 19.375,19.9 21.886,22.411 U4.1
  other v2: 21.3,23.2 21.95,23.2 21,23.75 21.625,23.75 22.25,23.75 20.75,24.65 20.2,24.975 20.75,25.3 20.175,25.625 20.75,25.95
LED1: LDG2.2 M1.29 | length 14.8
  Top Layer w0.254: M1.29 34.891,10.57 35.661,9.8 37.8,9.8 39.6,8 39.6,2.5 40.2,1.9 LDG2.2
LED2: LDG1.2 M1.30 | length 9.7
  Top Layer w0.254: M1.30 38.83,10.57 40.7,8.7 LDG1.2
NetLDG1_1: LDG1.1 R2.1 | length 1.8
  Top Layer w0.254: LDG1.1 42.275,3.475 R2.1
NetLDG2_1: LDG2.1 R3.1 | length 1.7
  Top Layer w0.254: LDG2.1 R3.1
NetLDG3_2: LDG3.2 R10.2 | length 1.2
  Top Layer w0.254: R10.2@48.175,2.15 LDG3.2@49.338,2.15
NetM1_38: M1.38 R1.1 | length 6.2
  Top Layer w0.254: v1(53.04,24.54) M1.38
  Bottom Layer w0.254: R1.1@48.7,24.475 R1.1 v1(53.04,24.54)
NetP10_3: P10.3 R19.2 | length 3.2
  Bottom Layer w0.254: P10.3 R19.2
NetP11_3: P11.3 R20.2 | length 3.5
  Bottom Layer w0.254: R20.2 39.275,38.201 P11.3
OUT: P6.1 U7.14 U7.15 U7.16 | length 23.2
  Top Layer w4: 9.875,24.775 P6.1@9.875,47.95
PA2/USART2_TX: M1.49 P14.3 | length 36.1
  Top Layer w0.254: P14.3 48.59,36.835 49.925,35.5 51.275,35.5 58.575,28.2 58.575,18.875 57.225,17.525 53.375,17.525 52.77,16.92 M1.49
PA3/USART2_RX: M1.48 P14.4 | length 31.2
  Top Layer w0.254: P14.4 46.59,37.985 49.675,34.9 50.95,34.9 58,27.85 58,19.125 57.065,18.19 M1.48
PA6/TIM3_CH1: C18.2 M1.45 P12.5 R18.1 R27.1 | length 24.3
  Top Layer w0.254: R18.1 R27.1 44.6,20.2 45.34,19.46 48.7,19.46 M1.45 v1(52.64,19.46)
  Bottom Layer w0.254: C18.2 v1(48.7,19.3) ; v1(52.64,19.46) 57.06,19.46 59.481,21.881 59.481,24.119 58.535,25.065 P12.5
PA7/TIM3_CH2: C19.2 M1.44 P12.6 R21.2 R26.1 | length 17.8
  Top Layer w0.254: R21.2 R26.1 v1(48.675,20.1) 52.54,20.1 53.17,20.73 M1.44 v1(56.43,20.73)
  Bottom Layer w0.254: v1(48.675,20.1) 48.675,21.075 C19.2 ; v1(56.43,20.73) 57.53,20.73 59.1,22.3 59.1,23.3 58.585,23.815 P12.6
PA8/TIM1_CH1: M1.6
PA9/TIM1_CH2: M1.8
PA10: C17.2 M1.10 P12.7 R24.2 R25.1 | length 25.8
  Top Layer w0.254: M1.10 39.4,23.27 40.196,23.27 ; 40.263,23.337 R24.2 R25.1
  Bottom Layer w0.254: C17.2 v1(39.4,23.4) 40.2,23.4 41.05,22.55 P12.7
PA13/SWDIO: M1.16
PA14/SWCLK: M1.18
PB1: M1.37
PB3: M1.24 P1.1 R6.2 R8.1 | length 19.6
  Top Layer w0.254: R6.2 R8.1 ; P1.1 23,12.675 R8.1 ; M1.24 36.891,14.371 34.7,14.371 34.129,13.8 31.1,13.8 30,12.7 R8.1
PB6/USART1_TX: M1.27 P9.1 | length 13.9
  Top Layer w0.254: M1.27 31.34,11.84 30.3,10.8 30.3,8.5 33.155,5.645 P9.1
PB7/USART1_RX: M1.28 P9.2 | length 17.8
  Top Layer w0.254: P9.2 34.405,1.995 33.7,2.7 33.7,5.9 30.8,8.8 30.8,10.679 31.382,11.261 34.561,11.261 35.14,11.84 M1.28
PB14: M1.31 P2.1 R7.2 R9.1 | length 22.6
  Top Layer w0.254: P2.1 39.55,41.3 43.075,37.775 R9.1 R7.2 42.946,34.796 42.946,31.354 45.95,28.35 M1.31
PB15: M1.32
PC4: M1.42
PC5: D3.2 M1.39 R20.1 R23.2 | length 27.4
  Top Layer w0.254: v1(47.595,24.078) 48.222,24.078 49.03,23.27 M1.39
  Bottom Layer w0.254: R23.2 42.275,39.874 42.275,38.275 D3.2 40.8,38.075 R20.1 40.675,37.95 40.675,33.525 41.5,32.7 44.4,32.7 45.2,31.9 45.2,25.95 47.072,24.078 v1(47.595,24.078)
PC6/TIM3_CH1: M1.5
PC7/TIM3_CH2: M1.7
PC8/TIM3_CH3: M1.9
PC11: D2.2 M1.21 R19.1 R22.2 | length 13.5
  Top Layer w0.254: v1(27.75,15.65) M1.21
  Bottom Layer w0.254: R19.1 R22.2@23.799,14.326 ; D2.2@23.854,16.321 D2.2 R22.2 26.426,14.326 v1(27.75,15.65)
PGND: D1.1 L1.1 P5.2 P6.2 pad.17@2.7,9 pad.17@2.7,41 PGND.1
SCL: M1.20 R13.2 U7.9 | length 25.9
  Top Layer w0.254: U7.9 14.8,19.025 15.575,18.25 28.15,18.25 ; v1(28.15,18.825) 28.15,18.25 ; M1.20 36.88,16.9 35.1,16.9 34.4,17.6 30.266,17.6 29.612,18.254 28.154,18.254 28.15,18.25
  Bottom Layer w0.254: v1(28.15,18.825) 28.15,19.475 R13.2
SDA: M1.19 R14.2 U7.8 | length 23
  Top Layer w0.254: U7.8 14.8,16.925 15.575,17.7 v1(28.75,17.7) 29.4,17.7 30.18,16.92 M1.19
  Bottom Layer w0.254: v1(28.75,17.7) 29.1,17.7 30.075,18.675 R14.2
pads on no net: M1.3 M1.11 M1.13 M1.15 M1.17 M1.23 M1.25 M1.26 M1.35 M1.36 M1.40 M1.41 M1.43 M1.46 M1.47 M1.50 M1.51 M1.52 M1.53 M1.54 M1.55 M1.56 M1.58 M1.60 P1.0@21.315,9.041 P2.0@39.085,41.774 P10.0@27.16,9.041 P11.0@34.015,41.834 P12.0@57.58,31.443 P13.0@48.55,45.8 P14.0@54,41.8 P15.0@55.6,45.8 U3.4 U5.5 U5.8 U6.5 U6.8 U7.13
copper on no net:
  other v1: 25.2,2.5 31.2,2.5 37.2,2.5
  other v3: 34.8,8.995 52.8,8.995
  other v4: 34.8,29.925 52.8,29.925

## Polygon pours and split planes (outlines as drawn)
GND on Bottom Layer "GND_L02_P006" (solid, remove dead copper, pour order 6): 11.95,54.975 8.8,51.825 8.8,0.075 12.275,-3.4 58.325,-3.4 63.5,1.775 63.5,54.975
PGND on Bottom Layer "PGND_L02_P002" (solid, remove dead copper, pour order 2): 7.95,52.975 2.175,52.975 -2.8,48 -2.8,-2.3 6.25,-2.3 7.95,-0.6
GND on Top Layer "Top Layer-No Net" (solid, remove dead copper, pour order 8): 48.732,53.2 13.9,53.2 12,51.3 12,-4.25 62.825,-4.25 64.825,-2.25 64.05,-1.475 64.05,51.6
PGND on Top Layer "PGND_L01_P000" (solid, remove dead copper, pour order 0): 7.275,52.975 2.175,52.975 -2.8,48 -2.8,-2.3 6.25,-2.3 7.275,-1.275

## Keep-outs
Keep-Out Layer:
  the board outline again, w0.254

## Other copper
Top Layer:
  region net GND: 22.941,26.166 22.941,23.959 23.125,23.775 25,23.775 25,25.1 25.475,25.575 24.025,27.025 23.775,27.025
  region net GND: 22.903,35.969 22.903,34.047 23.25,33.7 24.9,33.7 25.175,33.975 25.175,36.025 24.6,36.6 23.075,36.6 23.05,36.625
  region net PB7/USART1_RX: 34.185,1.9 34.625,1.9 34.75,1.775 34.75,0.35 34.075,0.35 34.075,1.762
  region net PB6/USART1_TX: 32.9,1.875 32.775,1.75 32.775,0.35 33.5,0.35 33.5,1.75 33.375,1.875
  region net CAN2H: 24.8,50.037 25.475,50.037 25.55,49.962 25.55,47.737 25.475,47.662 24.8,47.662 24.65,47.812 24.65,49.887
  region net CAN2L: 26.775,50.05 26.1,50.05 26.025,49.975 26.025,47.75 26.1,47.675 26.775,47.675 26.925,47.825 26.925,49.9
  region net CAN1L: 18.475,50.013 17.8,50.013 17.725,49.938 17.725,47.713 17.8,47.638 18.475,47.638 18.625,47.788 18.625,49.863
  region net CAN1H: 16.5,50 17.175,50 17.25,49.925 17.25,47.7 17.175,47.625 16.5,47.625 16.35,47.775 16.35,49.85
  region net IN: 19.875,26.7 19.75,26.575 19.75,24.175 21.175,22.75 22.6,22.75 22.75,22.9 22.75,26.575 22.625,26.7
  region net GND: 49.2,12.5 48.8,12.1 48.8,9.8 52.2,9.8 52.6,10.2 52.5,10.3 52.5,12.5
  region net GND: 35.641,29 35.575,28.934 35.575,26.496 38.596,26.496 39,26.9 39,29
  region net GND: 28.2,47.6 27.5,46.9 27.5,43.8 28.2,43.1 30.1,43.1 30.1,47.2 29.7,47.6
  region net GND: 21.6,47.8 20.6,47.8 18.9,46.1 19.6,45.4 19.6,43.2 23.8,43.2 24,43.4 24,46.8
  region net GND: 14.3,47 13.7,47 13.3,46.6 13.4,46.5 13.4,42.5 15.1,42.5 15.8,43.2 15.8,46.7
  region net GND: 37.6,6.1 37.2,5.7 36.4,5.7 36.4,2.5 39,2.5 39.3,2.8 39.3,5.7
  region net GND: 19.2,5.6 32.1,5.6 32.7,5 32.4,4.7 32.4,0.4 19.089,0.4
  region net GND: 30.6,50.5 30.4,50.3 31.3,49.4 31.3,46.1 41.4,46.1 41.9,46.6 41.9,50.5
  region net PGND: 5.5,50.3 2.5,50.3 1.8,49.6 2.4,49 2.4,45.2 6.1,45.2 6.8,44.5 7.275,44.975 7.275,49.425 6.8,49.9
  region net PGND: 1.5,44.7 0.284,43.484 0.284,38.765 0.535,38.765 2,37.3 2.2,37.5 5.5,37.5 5.5,39.6 6.7,40.8 5.6,41.9 5.6,44.3
  region net PGND: 2.625,33.925 1.575,33.925 0.475,32.825 0.475,30.2 1.675,30.2 2.625,30.875
  region net OUT: 11.88,19.38 11.6,19.1 8.175,19.1 7.875,19.4 7.875,25.65 11.575,25.65 11.88,25.345
  region net IN: 8.2,11.125 7.9,11.425 7.9,16.35 8.225,16.675 11.625,16.675 11.875,16.425 11.875,11.55 11.45,11.125
  region net PGND: 5.601,5.627 3.751,5.627 2.401,4.277 2.501,4.177 2.501,0.477 7.026,0.477 7.226,0.677 7.226,4.377
Bottom Layer:
  region net IN: 8.825,19.628 8.825,16.285 10.825,16.285 10.825,19.35 11.25,19.775
  region net CAN2H: 26.15,46.75 26.775,46.75 26.875,46.65 26.875,44.575 26.8,44.5 26.15,44.5 26.075,44.575 26.075,46.675
  region net CAN2L: 24.875,46.775 25.5,46.775 25.6,46.675 25.6,44.6 25.525,44.525 24.875,44.525 24.8,44.6 24.8,46.7
  region net CAN1H: 17.8,46.712 18.425,46.712 18.525,46.612 18.525,44.537 18.45,44.462 17.8,44.462 17.725,44.538 17.725,46.638
  region net CAN1L: 17.15,46.7 16.525,46.7 16.425,46.6 16.425,44.525 16.5,44.45 17.15,44.45 17.225,44.525 17.225,46.625
  region net GND: 14.334,24.634 13.4,23.7 14.1,23 14.1,21.8 19.1,21.8 19.338,22.038 19.338,24.634
  region net GND: 56.4,27.9 56.1,27.6 56.1,25.816 58.51,25.816 59.2,26.506 59.2,27.9
  region net GND: 22.5,41.8 19.9,41.8 19.1,41 19.5,40.6 19.5,39 25,39 25.1,38.9 25.3,39.1 25.3,41.5
  region net GND: 21.6,4.4 18.8,4.4 17.3,2.9 17.7,2.5 18.237,0.4 29.656,0.4 29.8,0.544 29.8,4.5
  region net GND: 61.741,21 59.1,21 58.4,20.3 58.6,20.1 58.6,18.3 61.616,18.3 61.741,18.425
  region net GND: 61.741,35 59.8,35 58.4,33.6 58.4,31.3 61.609,31.3 61.741,31.168
  region net GND: 13.6,50.5 13.1,50 13.5,49.6 13.5,46.9 15.7,46.9 16.5,47.7 30.1,47.7 30.1,50.5
  region net GND: 9.65,33.95 9.2,33.95 8.6,33.35 8.6,31.925 8.8,31.725 8.825,31.725 9.05,31.5 9.2,31.65 9.65,31.725
  region net PGND: 6.175,34 6.375,33.8 7.825,33.8 7.825,33.475 7.95,33.35 7.95,31.663 6.038,31.663 5.975,31.6
  region net PGND: 3.025,18.05 1.95,16.975 1.95,14.675 3.975,12.65 4.4,13.075 6.85,13.075 6.85,17.775 6.65,17.975
  region net IN: 19.7,27.975 19.475,27.75 19.475,22.45 19.825,22.1 23.95,22.1 24.25,22.4 24.25,24.35 23.9,24.7 21.75,24.7 21.5,24.95 21.5,27.75 21.275,27.975
  region net IN: 19,20.9 19.475,21.375 19.475,22.45 23.6,22.45 23.95,22.1 20.775,18.925 19.5,18.925
  region net PGND: 5.35,6.575 3.35,4.575 1.875,4.575 2.025,0.55 2.525,0.309 7.2,0.309 7.2,4.65
  region net PGND: 5.225,50.375 3.275,50.375 1.05,48.15 3.25,45.95 3.25,44.85 6.575,44.85 7.325,45.6 7.325,49.5

## Silkscreen, mask and mechanical layers (free items; w line width, h text height)
Top Overlay:
  text "UART2" at 53.625,39.45 h0.8
  text "PB14" at 38.9,39.225 h0.8
  text "CAN1" at 15.125,39.175 h1.52
  text "CAN2" at 23.325,39.125 h1.52
  text "2020.5.13" at 5.075,23.85 h0.8
  text "PB3" at 17.925,10.1 h0.8
  text "UART1" at 32.625,6.1 h0.8
Bottom Overlay:
  text "CAN2" at 28.875,42.825 h1.52
  text "CAN1" at 20.125,42.725 h1.52
  text "CAN2" at 59.775,42.725 h1.52
  text "CAN1" at 52.625,42.65 h1.52
  text "PC5" at 34.225,39.425 h0.8
  text "PC11" at 20.475,10.275 h0.8

## Text inside footprints (layer, text, board x,y; h text height)
M1: Top Overlay "NC" at 49.8,8.26 h1.5 r90; Top Overlay "G" at 48.6,8.26 h1.5 r90; Top Overlay "G" at 39.8,28.96 h1.5 r90; Top Overlay "5V" at 38.7,28.86 h1.5 r90; Top Overlay "60" at 57.85,10.41 h2 r180; Top Overlay "31" at 49.225,28.835 h2 r180; Top Overlay "30" at 39.725,11.06 h2 r180; Top Overlay "1" at 31.075,28.86 h2 r180
P3: Top Overlay "立式" at 15.75,45.825 h2.03
P4: Top Overlay "立式" at 24.125,45.875 h2.03
P7: Bottom Overlay "卧式" at 24.15,48.55 h2.03 r180
P8: Bottom Overlay "卧式" at 15.775,48.5 h2.03 r180
P13: Bottom Overlay "卧式" at 48.275,48.475 h2.03 r180
P15: Bottom Overlay "卧式" at 55.325,48.475 h2.03 r180
U4: Bottom Overlay "GND" at 21.65,36.675 h1.1 r270; Bottom Overlay "GND" at 16.65,24.925 h1.1 r270; Bottom Overlay "OUT" at 11.98,37.352 h1.8 r270; Bottom Overlay "IN" at 12.006,23.408 h1.8 r270; Bottom Overlay "IN+" at 21.65,24.925 h1.1 r270; Bottom Overlay "OUT+" at 16.65,36.675 h1.1 r270